# KiCad board analog_i.kicad_pcb (continued)
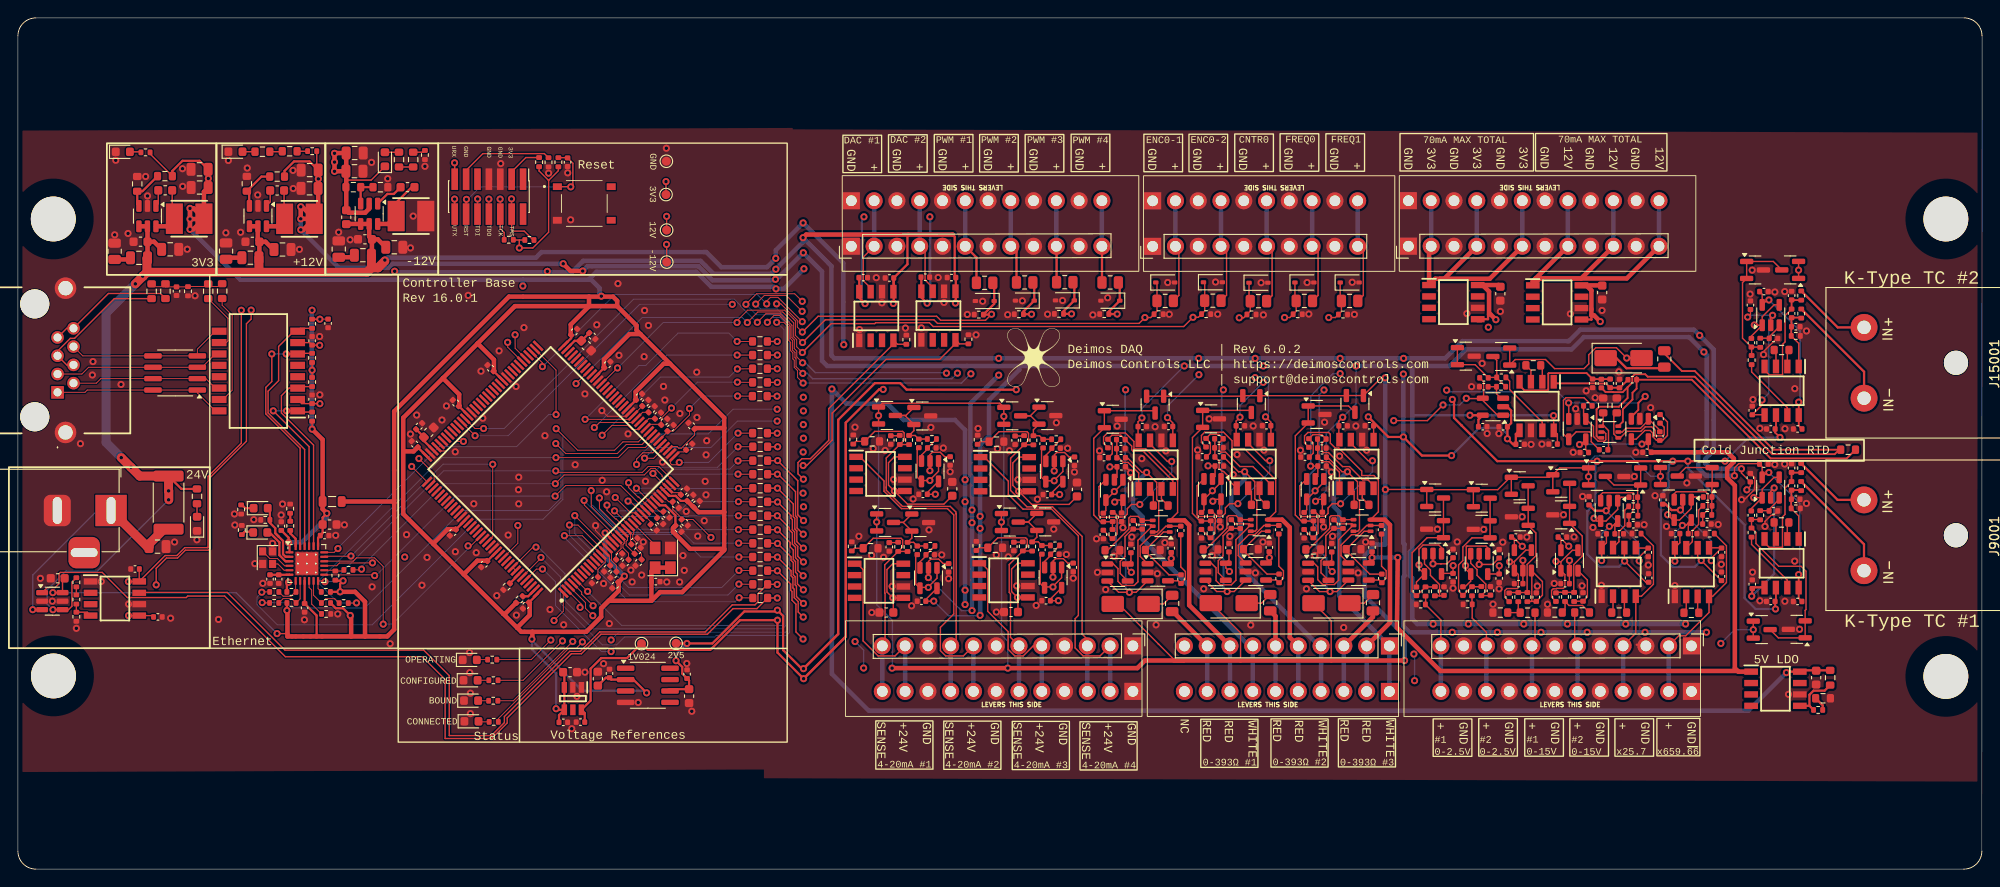
[diagram p0: board, top side]
## Placement (name value [footprint] x y rotation side) (continued)
R6027  10k  [R_0402_1005Metric]  52.89 23.38 0 top
R6028  10k  [R_0402_1005Metric]  60.27 78.89 90 top
R6029  10k  [R_0402_1005Metric]  57.04 70.21 180 top
R6030  10k  [R_0402_1005Metric]  54.73 70.24 0 top
R7001  33R  [R_0402_1005Metric]  28.58 29.71 180 top
R7002  10k  [R_0402_1005Metric]  30.51 29.71 0 top
R7003  33R  [R_0402_1005Metric]  28.59 30.94 180 top
R7004  10k  [R_0402_1005Metric]  30.5 30.94 0 top
R7005  33R  [R_0402_1005Metric]  36.33 29.69 180 top
R7006  10k  [R_0402_1005Metric]  34.35 29.7 180 top
R7007  33R  [R_0402_1005Metric]  36.86 33.4 0 top
R7008  1.5k  [R_0402_1005Metric]  34.34 30.94 0 top
R7009  10k  [R_0402_1005Metric]  35.4 32.76 90 top
R7010  10k  [R_0402_1005Metric]  34.37 28.48 180 top
R7011  49.9  [R_0402_1005Metric]  32.8 60.86 90 top
R7012  10k  [R_0402_1005Metric]  27.59 38.97 180 top
R7013  49.9  [R_0402_1005Metric]  32.8 57.05 270 top
R7014  12k  [R_0402_1005Metric]  30.37 38.31 270 top
R7015  1.5k  [R_0402_1005Metric]  24.89 40.13 90 top
R7016  49.9  [R_0402_1005Metric]  32.8 54.36 90 top
R7017  100R  [R_0402_1005Metric]  30.36 40.23 270 top
R7018  49.9  [R_0402_1005Metric]  32.8 50.5 270 top
R7019  10k  [R_0402_1005Metric]  24.97 37.84 90 top
R7020  75  [R_0603_1608Metric]  21.22 64.49 90 top
R7021  75  [R_0603_1608Metric]  22.77 64.51 270 top
R7022  75  [R_0603_1608Metric]  14.91 64.49 270 top
R7023  75  [R_0603_1608Metric]  16.45 64.5 90 top
R7024  1M  [R_0402_1005Metric]  18.96 64.49 270 top
R8004  MRF6432(2512)LR006FTS 0.006 1%  [R_2512_6332Metric]  16.8 40.9 270 top
R8005  1.5k  [R_0402_1005Metric]  6.51 28.16 90 top
R8006  10k  [R_0402_1005Metric]  6.51 32.01 270 top
R8007  10k  [R_0402_1005Metric]  6.51 30.09 90 top
R9001  10  [R_0402_1005Metric]  198.85 44.76 270 top
R9002  10  [R_0402_1005Metric]  198.85 42.75 90 top
R9003  1M  [R_0402_1005Metric]  198.25 40.26 0 top
R9004  10k 1%  [C_0402_1005Metric]  129.7 32.36 270 top
R9005  RNCF0603TKY2K00 2k 0.01% 5ppm/C  [R_0603_1608Metric]  196.66 38.68 180 top
R9006  10k 1%  [C_0402_1005Metric]  125.37 38.42 90 top
R10001  22.1k 0603  [R_0603_1608Metric]  13.3 76.48 90 top
R10002  51k 0603  [R_0603_1608Metric]  16.39 77.34 180 top
R10003  1R 0805  [R_0805_2012Metric]  10.78 68.95 90 top
R11001  200R  [R_0402_1005Metric]  98.16 35.97 270 top
R11002  RNCF0603TKY75R0 75R 0.01% 5ppm/C  [R_0603_1608Metric]  95.08 35.81 180 top
R11003  1R 0805  [R_0805_2012Metric]  23.21 68.97 90 top
R11004  243k 0603  [R_0603_1608Metric]  28.9 77.29 180 top
R11005  22.1k 0603  [R_0603_1608Metric]  25.53 76.49 90 top
R12001  243k 0603  [R_0603_1608Metric]  19.97 41.6 90 top
R12002  10k  [R_0402_1005Metric]  45.38 79.7 270 top
R12003  22.1k 0603  [R_0603_1608Metric]  44.07 79.19 270 top
R12004  22.1k 0603  [R_0603_1608Metric]  42.49 79.19 270 top
R12005  10k  [R_0402_1005Metric]  32.81 80.13 0 top
R12006  22.1k 0603  [R_0603_1608Metric]  30.3 80.12 180 top
R12007  22.1k 0603  [R_0603_1608Metric]  27.26 80.07 0 top
R12008  10k  [R_0402_1005Metric]  14.23 79.99 0 top
R13002  RNCF0603TKY2K00 2k 0.01% 5ppm/C  [R_0603_1608Metric]  138.37 40.65 0 top
R13003  300  [R_0805_2012Metric]  139.64 29.73 270 top
R13004  10  [C_0402_1005Metric]  132.49 47.59 270 top
R13005  10  [C_0402_1005Metric]  133.96 46 0 top
R13006  RNCF0603TKW10K0 10k 0.01% 5ppm/C  [R_0603_1608Metric]  137.49 35.7 0 top
R13007  100R 0402  [R_0402_1005Metric]  58.12 78.9 90 top
R13009  RNCF0603TKW10K0 10k 0.01% 5ppm/C  [R_0603_1608Metric]  132.99 35.68 0 top
R14001  200R  [R_0402_1005Metric]  98.33 47.9 270 top
R14002  RNCF0603TKY75R0 75R 0.01% 5ppm/C  [R_0603_1608Metric]  95.25 47.74 180 top
R14003  1R 0805  [R_0805_2012Metric]  35.77 69.2 90 top
R14004  22.1k 0603  [R_0603_1608Metric]  37.4 76.11 180 top
R14005  243k 0603  [R_0603_1608Metric]  40.42 76.11 180 top
R15001  10  [R_0402_1005Metric]  198.86 64.01 270 top
R15002  10  [R_0402_1005Metric]  198.86 62 90 top
R15003  1M  [R_0402_1005Metric]  198.26 59.51 0 top
R15004  100k 1%  [R_0402_1005Metric]  165.42 54.88 0 top
R15005  RNCF0603TKY2K00 2k 0.01% 5ppm/C  [R_0603_1608Metric]  196.66 57.94 180 top
R15006  100k 1%  [R_0402_1005Metric]  165.39 53.84 0 top
R17001  10k 1%  [R_0402_1005Metric]  193.32 37.56 90 top
R17002  RNCF0603TKY2K00 2k 0.01% 5ppm/C  [R_0603_1608Metric]  149.83 40.65 0 top
R17003  300  [R_0805_2012Metric]  151.1 29.73 270 top
R17004  10  [C_0402_1005Metric]  143.96 47.56 270 top
R17005  10  [C_0402_1005Metric]  145.43 45.97 0 top
R17006  RNCF0603TKW10K0 10k 0.01% 5ppm/C  [R_0603_1608Metric]  148.94 35.7 0 top
R17007  10k 1%  [R_0402_1005Metric]  194.28 39.49 90 top
R17009  RNCF0603TKW10K0 10k 0.01% 5ppm/C  [R_0603_1608Metric]  144.44 35.67 0 top
R18001  200R  [R_0402_1005Metric]  112.06 36.02 270 top
R18002  RNCF0603TKY75R0 75R 0.01% 5ppm/C  [R_0603_1608Metric]  108.98 35.86 180 top
R19001  10k 1%  [R_0402_1005Metric]  193.33 56.81 90 top
R19002  10k 1%  [R_0402_1005Metric]  194.29 58.74 90 top
R21001  3.3k 1%  [R_0402_1005Metric]  122.08 39.3 270 top
R21002  3.3k 1%  [R_0402_1005Metric]  122.05 37.39 270 top
R22001  200R  [R_0402_1005Metric]  112.2 47.87 270 top
R22002  RNCF0603TKY75R0 75R 0.01% 5ppm/C  [R_0603_1608Metric]  109.12 47.71 180 top
R23001  10k 1%  [C_0402_1005Metric]  140.63 32.45 270 top
R23002  10k 1%  [C_0402_1005Metric]  136.3 38.51 90 top
R24001  3.3k 1%  [R_0402_1005Metric]  133.01 39.38 270 top
R24002  3.3k 1%  [R_0402_1005Metric]  132.99 37.48 270 top
R26001  10k 1%  [C_0402_1005Metric]  152.09 32.44 270 top
R26002  10k 1%  [C_0402_1005Metric]  147.76 38.5 90 top
R27001  3.3k 1%  [R_0402_1005Metric]  144.47 39.38 270 top
R27002  3.3k 1%  [R_0402_1005Metric]  144.44 37.47 270 top
R28001  1M  [R_0402_1005Metric]  107.02 47.92 90 top
R29001  3.3k 1%  [R_0402_1005Metric]  113.24 47.86 90 top
R29002  3.3k 1%  [R_0402_1005Metric]  115.78 47.97 0 top
R30001  1M  [R_0402_1005Metric]  106.88 36.07 90 top
R31001  3.3k 1%  [R_0402_1005Metric]  113.1 36.01 90 top
R31002  3.3k 1%  [R_0402_1005Metric]  115.64 36.12 0 top
R32001  1M  [R_0402_1005Metric]  93.15 47.95 90 top
R33001  3.3k 1%  [R_0402_1005Metric]  99.37 47.89 90 top
R33002  3.3k 1%  [R_0402_1005Metric]  101.92 48 0 top
R34001  1M  [R_0402_1005Metric]  92.98 36.02 90 top
R35001  3.3k 1%  [R_0402_1005Metric]  99.2 35.96 90 top
R35002  3.3k 1%  [R_0402_1005Metric]  101.75 36.07 0 top
R36001  RNCF0603TKY75R0 75R 0.01% 5ppm/C  [R_0603_1608Metric]  186.61 28.6 0 top
R36002  1M  [R_0402_1005Metric]  188.66 37.44 180 top
R37001  100k 1%  [R_0402_1005Metric]  188.4 40.54 180 top
R37002  100k 1%  [R_0402_1005Metric]  188.37 39.52 0 top
R38001  RNCF0603TKY2K00 2k 0.01% 5ppm/C  [R_0603_1608Metric]  178.56 28.63 0 top
R38002  1M  [R_0402_1005Metric]  180.49 37.44 180 top
R39001  10k 1%  [R_0402_1005Metric]  180.13 40.49 0 top
R39002  10k 1%  [R_0402_1005Metric]  180.13 39.45 180 top
R40001  RNCF0603TKW10K0 10k 0.01% 5ppm/C  [R_0603_1608Metric]  174.42 28.64 180 top
R40002  RNCF0603TKY2K00 2k 0.01% 5ppm/C  [R_0603_1608Metric]  171.38 28.64 180 top
R41001  3.3k 1%  [R_0402_1005Metric]  172.52 30.38 90 top
R41002  3.3k 1%  [R_0402_1005Metric]  173.54 30.38 270 top
R42001  RNCF0603TKW10K0 10k 0.01% 5ppm/C  [R_0603_1608Metric]  168.35 28.62 0 top
R42002  RNCF0603TKY2K00 2k 0.01% 5ppm/C  [R_0603_1608Metric]  165.31 28.63 180 top
R43001  3.3k 1%  [R_0402_1005Metric]  167.31 30.36 90 top
R43002  3.3k 1%  [R_0402_1005Metric]  168.32 30.36 270 top
R44001  1M  [R_0402_1005Metric]  161.66 29.55 180 top
R45001  3.3k 1%  [R_0402_1005Metric]  162.15 31.01 90 top
R45002  3.3k 1%  [R_0402_1005Metric]  163.19 31.03 270 top
R46001  1M  [R_0402_1005Metric]  156.44 29.54 180 top
R47001  3.3k 1%  [R_0402_1005Metric]  156.96 30.98 90 top
R47002  3.3k 1%  [R_0402_1005Metric]  158.01 31.01 270 top
R48001  49.9  [R_0805_2012Metric]  127.93 63.42 180 top
R48002  1M  [R_0402_1005Metric]  127.2 61.93 0 top
R49001  49.9  [R_0805_2012Metric]  133.25 63.44 180 top
R49002  1M  [R_0402_1005Metric]  132.5 61.94 0 top
R50001  49.9  [R_0805_2012Metric]  138.33 63.39 180 top
R50002  1M  [R_0402_1005Metric]  137.56 61.9 0 top
R51001  49.9  [R_0805_2012Metric]  143.45 63.41 180 top
R51002  1M  [R_0402_1005Metric]  142.71 61.93 0 top
R52001  49.9  [R_0805_2012Metric]  148.5 63.41 180 top
R52002  1M  [R_0402_1005Metric]  147.76 61.9 0 top
R53001  1M  [R_0402_1005Metric]  99.07 59.08 90 top
R54001  1M  [R_0402_1005Metric]  105.99 59.13 90 top
R55001  1M  [R_0402_1005Metric]  107.15 61.89 180 top
R55002  49.9  [R_0805_2012Metric]  107.8 65.44 180 top
R56001  1M  [R_0402_1005Metric]  111.62 61.93 180 top
R56002  49.9  [R_0805_2012Metric]  112.26 65.48 180 top
R57001  1M  [R_0402_1005Metric]  116.09 61.97 180 top
R57002  49.9  [R_0805_2012Metric]  116.73 65.5 180 top
R58001  1M  [R_0402_1005Metric]  121.14 61.95 180 top
R58002  49.9  [R_0805_2012Metric]  121.8 65.47 180 top
S6001  TS-1187A-B-A-B  [TS1187ABAB]  63.16 74.29 0 top
T7001  H1102NLT  [SOIC127P940X622-16N]  26.81 55.59 180 top
TP7001  TestPoint_+12V  [TestPoint_Pad_D1.0mm]  72.34 71.32 180 top
TP7002  TestPoint_+12V  [TestPoint_Pad_D1.0mm]  72.35 67.75 270 top
TP7003  TestPoint_+2V5  [TestPoint_Pad_D1.0mm]  73.4 25.19 180 top
TP7004  TestPoint_+3V3  [TestPoint_Pad_D1.0mm]  72.27 75.28 180 top
TP7005  TestPoint_+1V024  [TestPoint_Pad_D1.0mm]  69.54 25.16 180 top
TP8002  TestPoint_GND_1  [TestPoint_Pad_D1.0mm]  72.31 79 90 top
U4001  NTJD4001NT1G  [SOT-363_SC-70-6]  177.51 48.78 0 top
U5001  NTJD4001NT1G  [SOT-363_SC-70-6]  127.49 38.27 180 top
U6002  ADR4525  [SOIC-8_3.9x4.9mm_P1.27mm]  70.24 20.51 0 top
U7001  LAN8742A  [VQFN-24-1EP_4x4mm_P0.5mm_EP2.5x2.5mm_ThermalVias]  32.22 34.1 0 top
U8001  INA181A2  [SOT-23-6]  3.83 29.9 0 top
U13001  NTJD4001NT1G  [SOT-363_SC-70-6]  138.43 38.35 180 top
U15001  OPA196xDBV  [SOT-23-5]  164.48 51.6 180 top
U17001  NTJD4001NT1G  [SOT-363_SC-70-6]  149.88 38.35 180 top
U17002  OPA196xDBV  [SOT-23-5]  195.45 42.59 90 top
U19001  OPA196xDBV  [SOT-23-5]  195.46 61.84 90 top
U21001  OPA196xDBV  [SOT-23-5]  122.27 42.32 270 top
U24001  OPA196xDBV  [SOT-23-5]  133.21 42.41 270 top
U27001  OPA196xDBV  [SOT-23-5]  144.66 42.4 270 top
U29001  OPA196xDBV  [SOT-23-5]  115.57 44.38 270 top
U31001  OPA196xDBV  [SOT-23-5]  115.43 32.53 270 top
U33001  OPA196xDBV  [SOT-23-5]  101.71 44.41 270 top
U35001  OPA196xDBV  [SOT-23-5]  101.54 32.48 270 top
U37001  OPA196xDBV  [SOT-23-5]  185.64 40.09 270 top
U39001  OPA196xDBV  [SOT-23-5]  177.44 39.98 270 top
U41001  OPA196xDBV  [SOT-23-5]  173.01 34.44 90 top
U43001  OPA196xDBV  [SOT-23-5]  167.82 34.46 90 top
U45001  OPA196xDBV  [SOT-23-5]  162.95 34.06 270 top
U47001  OPA196xDBV  [SOT-23-5]  157.8 34.07 270 top
Y6001  SiT1602BI-21-33S-48.000000  [Crystal_SMD_3225-4Pin_3.2x2.5mm]  71.91 34.74 90 top
Y7001  NX2016SA-25.000M-STD-CZS-1  [Crystal_SMD_2016-4Pin_2.0x1.6mm]  27.84 34.76 270 top

## Library data of the parts
C3001-C3003 C10001 C10005 C11002 C11005 C14002 C14005 C14006 C28001 C30001 C32001 C34001 = -: Description: Unpolarized capacitor, small symbol; LCSC: C14663; ki_fp_filters: C_*
C4001-C4005 C4007 C4010 C5001-C5004 C5007-C5010 C5012 C6021 C6022 C6024 C6026-C6041 C6043 C6048-C6051 C7005-C7012 C8001 C8002 C8005 C9001-C9006 C13001-C13004 C13007 C13010 C15001-C15004 C15006 C15008 C15009 C16001 C17001-C17004 C17007-C17010 C18002 C19003 C19004 C21003 C21004 C23001 C24001 C24004 C26001 C27003 C27004 C29003 C29004 C31003 C31004 C33003 C33004 C35003 C35004 C36001-C36003 C37003 C37004 C38001-C38003 C39003 C39004 C41003 C41004 C43003 C43004 C45003 C45004 C47003 C47004 C53001 C53002 C54001 C54002 = -: ki_fp_filters: C_*
C4006 C4008 C6023 C6025 C9007 C9008 C11001 C14001 C18001 C22001 C23002 C23003 C26002 C26003 = -: LCSC: C15195; ki_fp_filters: C_*
C6001-C6013 C6016-C6020 C7004 = -: LCSC: C52923; ki_fp_filters: C_*
C7003 = -: LCSC: C363540; ki_fp_filters: C_*
C8003 C10002-C10004 C11003 C11004 C11007 C14003 C14004 C14008 = -: LCSC: C440198; ki_fp_filters: C_*
C10006 C11006 C14007 = -: LCSC: C377773; ki_fp_filters: C_*
C15005 C15007 C17005 C17006 C19001 C19002 C21001 C21002 C24002 C24003 C27001 C27002 C29001 C29002 C31001 C31002 C33001 C33002 C35001 C35002 C37001 C37002 C39001 C39002 C41001 C41002 C43001 C43002 C45001 C45002 C47001 C47002 = -: LCSC: C3855387; ki_fp_filters: C_*
D4001 D5001 D13001 D17001 = -: LCSC: C22452; ki_fp_filters: TO-???* *_Diode_* *SingleDiode* D_*
D6001-D6004 D7001 D7002 D12001-D12004 = -: LCSC: C7371898; ki_fp_filters: LED* LED_SMD:* LED_THT:*
D7003 = -: Datasheet: https://www.bourns.com/pdfs/CDNBS08-SLVU28-4.pdf; ki_fp_filters: SOIC*3.9x4.9mm*P1.27mm*
D48001 D49001 D50001 D51001 D52001 D55001 D56001 D57001 D58001 = -: LCSC: C5184420; ki_fp_filters: TO-???* *_Diode_* *SingleDiode* D_*
FB7001 = -: LCSC: C1017; ki_fp_filters: Inductor_* L_* *Ferrite*
H2001 H2002 H3001 H3002 = -: ki_fp_filters: MountingHole*
IC3001-IC3003 IC17004 IC20001 IC24001 IC28001 = -: Datasheet: https://4donline.ihs.com/images/VipMasterIC/IC/ROHM/ROHM-S-A0002355662/ROHM-S-A0002355662-1.pdf?hkey=EF798316E3902B6ED9A73243A3159BB0; Description: Supervisory Circuits 3-42V SOP-J8 12A LDO Regulator; Height: 1.65; Manufacturer_Name: ROHM Semiconductor; Mouser Part Number: 755-BD42540FJ-CE2; Mouser Price/Stock: https://www.mouser.co.uk/ProductDetail/ROHM-Semiconductor/BD42540FJ-CE2?qs=zGux8KhMp6JowApuEUgCTw%3D%3D; LCSC: C308591
IC4001 IC5001 IC8001 IC9001 IC13001 IC15001 IC17001 IC36001 IC38001 IC53001 IC54001 = -: Datasheet: http://www.ti.com/lit/gpn/ina826; Description: Precision, 200-uA Supply Current, 36-V Supply Instrumentation Amplifier; Height: 1.75; Manufacturer_Name: Texas Instruments; Mouser Part Number: 595-INA826AIDR; Mouser Price/Stock: https://www.mouser.co.uk/ProductDetail/Texas-Instruments/INA826AIDR?qs=RqytGdBYyUFuQNJtlkA6aQ%3D%3D; Arrow Price/Stock: https://www.arrow.com/en/products/ina826aidr/texas-instruments?region=nac; LCSC: C38433
IC4002 IC4003 IC5002 IC5003 IC13002 IC13003 IC17002 IC17003 = -: Datasheet: http://www.ti.com/lit/gpn/tlv333; Description: 350 kHz, Low-Noise, RRIO, CMOS Operational Amplifier for Cost-Sensitive Systems; Height: 1.45; Manufacturer_Name: Texas Instruments; Mouser Part Number: 595-TLV333IDBVR; Mouser Price/Stock: https://www.mouser.co.uk/ProductDetail/Texas-Instruments/TLV333IDBVR?qs=n%252BTO0c4TDSbTbn2suQLlAQ%3D%3D; Arrow Price/Stock: https://www.arrow.com/en/products/tlv333idbvr/texas-instruments
IC5004 = -: Datasheet: https://www.ti.com/lit/ds/symlink/ref35.pdf; Description: Voltage References 650-nA quiescent current, 12-ppm/C drift, ultra-low-power precision voltage reference; Height: 1.45; Manufacturer_Name: Texas Instruments; Mouser Part Number: 595-REF35102QDBVR; Mouser Price/Stock: https://www.mouser.co.uk/ProductDetail/Texas-Instruments/REF35102QDBVR?qs=rQFj71Wb1eWXaO82zju2Vg%3D%3D; Arrow Price/Stock: https://www.arrow.com/en/products/ref35102qdbvr/texas-instruments?region=nac
IC6001 = -: Datasheet: https://www.mouser.cn/datasheet/2/389/stm32h723zg-1893346.pdf; Height: 1.6; Manufacturer_Name: STMicroelectronics; LCSC: C114408
IC10001 IC11001 IC14001 = -: Datasheet: http://www.ti.com/lit/gpn/tps560430; Description: SIMPLE SWITCHER 36-V, 600-mA Buck Regulator With High-Efficiency Sleep Mode; Height: 1.45; Manufacturer_Name: Texas Instruments; Mouser Part Number: 595-TPS560430XDBVR; Mouser Price/Stock: https://www.mouser.co.uk/ProductDetail/Texas-Instruments/TPS560430XDBVR?qs=%252BEew9%252B0nqrDFUDwUxL0Ntw%3D%3D; Arrow Price/Stock: https://www.arrow.com/en/products/tps560430xdbvr/texas-instruments?region=nac
J3001 J3003 J3004 J3006 = -: Description: Generic screw terminal, single row, 01x12, script generated (kicad-library-utils/schlib/autogen/connector/); LCSC: C475123; ki_fp_filters: TerminalBlock*:*
J3002 J3005 = -: Description: Generic screw terminal, single row, 01x10, script generated (kicad-library-utils/schlib/autogen/connector/); LCSC: C475122; ki_fp_filters: TerminalBlock*:*
J6001 = -: LCSC: C3975190; ki_fp_filters: Connector*:*_2x??_*
J8001 = -: LCSC: C3094841; ki_fp_filters: BarrelJack*
J9001 J15001 = -: LCSC: C9900157061; ki_fp_filters: Connector*:*_1x??_*
J13001 = -: Datasheet: https://www.lcsc.com/datasheet/lcsc_datasheet_2007281104_RCH-RC01133_C708616.pdf; Description: RJ45Receptacle 1 Shielded Bend insert Without LED -40~+70 Plugin Ethernet Connectors / Modular Connectors (RJ45 RJ11) ROHS; Height: 13.35; Manufacturer_Name: RCH; Manufacturer_Part_Number: RCH RC01133; LCSC: C708616
L10001 = -: Description: Inductor; LCSC: C167880; ki_fp_filters: Choke_* *Coil* Inductor_* L_*
L11001 L14001 = -: Description: Inductor; LCSC: C167840; ki_fp_filters: Choke_* *Coil* Inductor_* L_*
Q15001 Q15002 Q17001 Q17002 Q19001 Q19002 Q21001 Q21002 Q24001 Q24002 Q27001 Q27002 Q29001 Q29002 Q31001 Q31002 Q33001 Q33002 Q35001 Q35002 Q37001 Q37002 Q39001 Q39002 Q41001 Q41002 Q43001 Q43002 Q45001 Q45002 Q47001 Q47002 = -: Datasheet: https://www.onsemi.com/pub/Collateral/MMBFJ113-D.PDF; Description: 2mA min, 35V, 100mOhm max, 0.5-3V Vgs(off), N-Channel JFET, SOT-23; LCSC: C891686; ki_fp_filters: SOT?23*
R3001 = -: Description: Resistor, small US symbol; LCSC: C141518; ki_fp_filters: R_*
R3002 R11004 R12001 R14005 = -: Description: Resistor, small symbol; LCSC: C23351; ki_fp_filters: R_*
R3003 R17001 R17007 R19001 R19002 R39001 R39002 = -: LCSC: C25744; ki_fp_filters: R_*
R3004 R10002 = -: Description: Resistor, small symbol; LCSC: C23196; ki_fp_filters: R_*
R4001 R4003-R4005 R4007 R5003-R5005 R9003 R9004 R9006 R13003-R13005 R15003 R17003-R17005 R23001 R23002 R26001 R26002 R28001 R30001 R32001 R34001 R36002 R38002 R44001 R46001 R48002 R49002 R50002 R51002 R52002 R53001 R54001 R55001 R56001 R57001 R58001 = -: ki_fp_filters: R_*
R4002 R5002 R9005 R13002 R15005 R17002 R38001 R40002 R42002 = -: LCSC: C346578; ki_fp_filters: R_*
R4006 R4009 R5006 R5009 R13006 R13009 R17006 R17009 R40001 R42001 = -: LCSC: C2482678; ki_fp_filters: R_*
R6001-R6013 R6016-R6020 = -: Description: Resistor, small symbol; LCSC: C22859; ki_fp_filters: R_*
R6021 R6022 R6028-R6030 R7002 R7004 R7006 R7009 R7010 R7012 R7019 R8006 R8007 = -: Description: Resistor, small symbol; LCSC: C25744; ki_fp_filters: R_*
R6023 R6025-R6027 R12002 R12005 R12008 = -: GNUM: G11-R0402-3300-AAA; LCSC: C25744
R6024 R7017 R13007 = -: Description: Resistor, small symbol; LCSC: C25076; ki_fp_filters: R_*
R7001 R7003 R7005 R7007 = -: Description: Resistor, small symbol; LCSC: C25105; ki_fp_filters: R_*
R7008 R7015 R8005 = -: Description: Resistor, small symbol; LCSC: C25867; ki_fp_filters: R_*
R7011 R7013 R7016 R7018 = -: GNUM: G11-R0402-3300-AAA; LCSC: C25120
R7014 = -: Description: Resistor, small symbol; LCSC: C25752; ki_fp_filters: R_*
R7020-R7023 = -: GNUM: G11-R0402-3300-AAA; LCSC: C23242
R7024 = -: GNUM: G11-R0402-3300-AAA; LCSC: C26083
R8004 = -: Description: Resistor, small symbol; LCSC: C76239; ki_fp_filters: R_*
R9001 R15001 = -: LCSC: C25077; ki_fp_filters: R_*
R9002 R15002 = -: Datasheet: C25077; ki_fp_filters: R_*
R10001 R11005 R12003 R12004 R12006 R12007 R14004 = -: Description: Resistor, small symbol; LCSC: C25961; ki_fp_filters: R_*
R10003 R11003 R14003 = -: Description: Resistor, small symbol; LCSC: C25271; ki_fp_filters: R_*
R11001 R14001 R18001 R22001 = -: LCSC: C25087; ki_fp_filters: R_*
R11002 R14002 R18002 R22002 R36001 = -: LCSC: C2482496; ki_fp_filters: R_*
R15004 R15006 R37001 R37002 = -: LCSC: C25741; ki_fp_filters: R_*
R21001 R21002 R24001 R24002 R27001 R27002 R29001 R29002 R31001 R31002 R33001 R33002 R35001 R35002 R41001 R41002 R43001 R43002 R45001 R45002 R47001 R47002 = -: LCSC: C25890; ki_fp_filters: R_*
R48001 R49001 R50001 R51001 R52001 R55002 R56002 R57002 R58002 = -: LCSC: C17720; ki_fp_filters: R_*
S6001 = -: Datasheet: http://www.helloxkb.com/public/images/pdf/TS-1187A-X-X-X.pdf; Description: tact switch 4x4X1.5 patch 160GF metal head waterproof; Height: 4.05; Manufacturer_Name: XKB Connectivity; LCSC: C318884
T7001 = -: Datasheet: https://productfinder.pulseeng.com/products/datasheets/H1102NL.pdf; Description: Audio Transformers / Signal Transformers 100BaseTX SMD NonPoE 350uH .65Ohms 1-Port; Height: 6.22; Manufacturer_Name: Pulse; Mouser Part Number: 673-H1102NLT; Mouser Price/Stock: https://www.mouser.co.uk/ProductDetail/Pulse-Electronics/H1102NLT?qs=EKu32SdDin8JhhqpR7K10Q%3D%3D; Arrow Price/Stock: https://www.arrow.com/en/products/h1102nlt/pulse-electronics-corporation?region=nac; LCSC: C18584
TP7001-TP7005 TP8002 = -: ki_fp_filters: Pin* Test*
U4001 U5001 U13001 U17001 = -: LCSC: C190019
U6002 = -: Datasheet: https://www.analog.com/media/en/technical-documentation/data-sheets/ADR4520_4525_4530_4533_4540_4550.pdf; LCSC: C403914; ki_fp_filters: SOIC*3.9x4.9mm*P1.27mm*
U7001 = -: Datasheet: http://ww1.microchip.com/downloads/en/DeviceDoc/8742a.pdf; ki_fp_filters: VQFN*1EP*4x4mm*P0.5mm*
U8001 = -: Datasheet: http://www.ti.com/lit/ds/symlink/ina181.pdf; LCSC: C2058784; ki_fp_filters: SOT?23*
U15001 U17002 U19001 U21001 U24001 U27001 U29001 U31001 U33001 U35001 U37001 U39001 U41001 U43001 U45001 U47001 = -: Datasheet: http://www.ti.com/lit/ds/symlink/opa4196.pdf; Description: Single, Low-Power, Low Offset Voltage, Rail-to-Rail Operational Amplifier, SOT-23-5; ki_fp_filters: SOT?23*
Y6001 = -: Datasheet: https://www.sitime.com/support/resource-library/datasheets/sit1602-datasheet; Manufacturer_Name: SiTime; Manufacturer_Part_Number: SiT1602AI-82-33E-48.000000; LCSC: C1198900
Y7001 = -: Datasheet: https://datasheet.datasheetarchive.com/originals/distributors/DKDS-17/332064.pdf; Manufacturer_Name: NDK; Mouser Part Number: 344-NX2016SA25MSTZS1; Mouser Price/Stock: https://www.mouser.co.uk/ProductDetail/NDK/NX2016SA-25.000M-STD-CZS-1?qs=w%2Fv1CP2dgqozB742%252BoULZA%3D%3D; LCSC: C843258

## Footprints (pads in the part's own frame, mm; a bottom-side part is the same pattern mirrored in y, then rotated)
AM-K-PCB
  round 2.7 hole 2.7 unplated: (0,-4)
  round 3 hole 1.5: 1(3.95,-14.25) 2(-3.95,-14.25)
BarrelJack_Horizontal
  rect 3.5x3.5 hole 1x3: 1(0,0)
  rrect 3x3.5 hole 1x3: 2(-6,0)
  rrect 3.5x3.5 hole 3x1: 3(-3,-4.7)
C_0402_1005Metric
  rrect 0.56x0.62 smd: 1(-0.48,0) 2(0.48,0)
C_0603_1608Metric
  rrect 0.9x0.95 smd: 1(-0.775,0) 2(0.775,0)
C_0805_2012Metric
  rrect 1x1.45 smd: 1(-0.95,0) 2(0.95,0)
Crystal_SMD_2016-4Pin_2.0x1.6mm
  rect 0.9x0.8 smd: 1(-0.7,-0.55) 2(0.7,-0.55) 3(0.7,0.55) 4(-0.7,0.55)
Crystal_SMD_3225-4Pin_3.2x2.5mm
  rect 1.4x1.2 smd: 1(-1.1,-0.85) 2(1.1,-0.85) 3(1.1,0.85) 4(-1.1,0.85)
D_SMA
  rrect 2.5x1.8 smd: 1(-2,0) 2(2,0)
D_SOD-323
  rrect 0.6x0.45 smd: 1(-1.05,0) 2(1.05,0)
INDPM4040X300N
  rect 1.9x3.4 smd: 1(-1.65,0) 2(1.65,0)
KF141V-2.54-10P
  rect 1.9x1.9 hole 1.2: 1(0,0) 1(5.08,0)
  oval 1.9x1.9 hole 1.2: 2(0,-2.54) 2(5.08,-2.54) 3(0,-5.08) 3(5.08,-5.08) 4(0,-7.62) 4(5.08,-7.62) 5(0,-10.16) 5(5.08,-10.16) 6(0,-12.7) 6(5.08,-12.7) 7(0,-15.24) 7(5.08,-15.24) 8(0,-17.78) 8(5.08,-17.78) 9(0,-20.32) 9(5.08,-20.32) 10(0,-22.86) 10(5.08,-22.86)
KF141V-2.54-12P
  rect 1.9x1.9 hole 1.2: 1(0,0) 1(5.08,0)
  oval 1.9x1.9 hole 1.2: 2(0,-2.54) 2(5.08,-2.54) 3(0,-5.08) 3(5.08,-5.08) 4(0,-7.62) 4(5.08,-7.62) 5(0,-10.16) 5(5.08,-10.16) 6(0,-12.7) 6(5.08,-12.7) 7(0,-15.24) 7(5.08,-15.24) 8(0,-17.78) 8(5.08,-17.78) 9(0,-20.32) 9(5.08,-20.32) 10(0,-22.86) 10(5.08,-22.86) 11(0,-25.4) 11(5.08,-25.4) 12(0,-27.94) 12(5.08,-27.94)
L_0805_2012Metric
  rrect 0.875x1.2 smd: 1(-1.062,0) 2(1.062,0)
LED_0603_1608Metric
  rrect 0.875x0.95 smd: 1(-0.787,0) 2(0.787,0)
MountingHole_5mm
  round 5 hole 5 unplated: (0,0)
PinHeader_2x07_P1.27mm_Vertical_SMD
  rect 2.4x0.74 smd: 1(-1.95,3.81) 2(1.95,3.81) 3(-1.95,2.54) 4(1.95,2.54) 5(-1.95,1.27) 6(1.95,1.27) 7(-1.95,0) 8(1.95,0) 9(-1.95,-1.27) 10(1.95,-1.27) 11(-1.95,-2.54) 12(1.95,-2.54) 13(-1.95,-3.81) 14(1.95,-3.81)
QFP50P2200X2200X160-144N
  rect 1.475x0.3 smd: 1(-10.738,8.75) 2(-10.738,8.25) 3(-10.738,7.75) 4(-10.738,7.25) 5(-10.738,6.75) 6(-10.738,6.25) 7(-10.738,5.75) 8(-10.738,5.25) 9(-10.738,4.75) 10(-10.738,4.25) 11(-10.738,3.75) 12(-10.738,3.25) 13(-10.738,2.75) 14(-10.738,2.25) 15(-10.738,1.75) 16(-10.738,1.25) 17(-10.738,0.75) 18(-10.738,0.25) 19(-10.738,-0.25) 20(-10.738,-0.75) 21(-10.738,-1.25) 22(-10.738,-1.75) 23(-10.738,-2.25) 24(-10.738,-2.75) 25(-10.738,-3.25) 26(-10.738,-3.75) 27(-10.738,-4.25) 28(-10.738,-4.75) 29(-10.738,-5.25) 30(-10.738,-5.75) 31(-10.738,-6.25) 32(-10.738,-6.75) 33(-10.738,-7.25) 34(-10.738,-7.75) 35(-10.738,-8.25) 36(-10.738,-8.75) 73(10.738,-8.75) 74(10.738,-8.25) 75(10.738,-7.75) 76(10.738,-7.25) 77(10.738,-6.75) 78(10.738,-6.25) 79(10.738,-5.75) 80(10.738,-5.25) 81(10.738,-4.75) 82(10.738,-4.25) 83(10.738,-3.75) 84(10.738,-3.25) 85(10.738,-2.75) 86(10.738,-2.25) 87(10.738,-1.75) 88(10.738,-1.25) 89(10.738,-0.75) 90(10.738,-0.25) 91(10.738,0.25) 92(10.738,0.75) 93(10.738,1.25) 94(10.738,1.75) 95(10.738,2.25) 96(10.738,2.75) 97(10.738,3.25) 98(10.738,3.75) 99(10.738,4.25) 100(10.738,4.75) 101(10.738,5.25) 102(10.738,5.75) 103(10.738,6.25) 104(10.738,6.75) 105(10.738,7.25) 106(10.738,7.75) 107(10.738,8.25) 108(10.738,8.75)
  rect 0.3x1.475 smd: 37(-8.75,-10.738) 38(-8.25,-10.738) 39(-7.75,-10.738) 40(-7.25,-10.738) 41(-6.75,-10.738) 42(-6.25,-10.738) 43(-5.75,-10.738) 44(-5.25,-10.738) 45(-4.75,-10.738) 46(-4.25,-10.738) 47(-3.75,-10.738) 48(-3.25,-10.738) 49(-2.75,-10.738) 50(-2.25,-10.738) 51(-1.75,-10.738) 52(-1.25,-10.738) 53(-0.75,-10.738) 54(-0.25,-10.738) 55(0.25,-10.738) 56(0.75,-10.738) 57(1.25,-10.738) 58(1.75,-10.738) 59(2.25,-10.738) 60(2.75,-10.738) 61(3.25,-10.738) 62(3.75,-10.738) 63(4.25,-10.738) 64(4.75,-10.738) 65(5.25,-10.738) 66(5.75,-10.738) 67(6.25,-10.738) 68(6.75,-10.738) 69(7.25,-10.738) 70(7.75,-10.738) 71(8.25,-10.738) 72(8.75,-10.738) 109(8.75,10.738) 110(8.25,10.738) 111(7.75,10.738) 112(7.25,10.738) 113(6.75,10.738) 114(6.25,10.738) 115(5.75,10.738) 116(5.25,10.738) 117(4.75,10.738) 118(4.25,10.738) 119(3.75,10.738) 120(3.25,10.738) 121(2.75,10.738) 122(2.25,10.738) 123(1.75,10.738) 124(1.25,10.738) 125(0.75,10.738) 126(0.25,10.738) 127(-0.25,10.738) 128(-0.75,10.738) 129(-1.25,10.738) 130(-1.75,10.738) 131(-2.25,10.738) 132(-2.75,10.738) 133(-3.25,10.738) 134(-3.75,10.738) 135(-4.25,10.738) 136(-4.75,10.738) 137(-5.25,10.738) 138(-5.75,10.738) 139(-6.25,10.738) 140(-6.75,10.738) 141(-7.25,10.738) 142(-7.75,10.738) 143(-8.25,10.738) 144(-8.75,10.738)
R_0402_1005Metric
  rrect 0.54x0.64 smd: 1(-0.51,0) 2(0.51,0)
R_0603_1608Metric
  rrect 0.8x0.95 smd: 1(-0.825,0) 2(0.825,0)
R_0805_2012Metric
  rrect 1.025x1.4 smd: 1(-0.912,0) 2(0.912,0)
R_2512_6332Metric
  rrect 1.225x3.35 smd: 1(-2.962,0) 2(2.962,0)
RCHRC01133
  round 3.25 hole 3.25 unplated: (-2.73,2.54) (9.87,2.54)
  rect 1.4x1.4 hole 0.9: 1(0,0)
  round 1.4 hole 0.9: 2(1.02,-1.78) 3(2.04,0) 4(3.06,-1.78) 5(4.08,0) 6(5.1,-1.78) 7(6.12,0) 8(7.14,-1.78)
  round 2.4 hole 1.6: 9(-4.48,-0.89) 10(11.62,-0.89)
SOIC127P600X175-8N
  rect 1.525x0.7 smd: 1(-2.712,1.905) 2(-2.712,0.635) 3(-2.712,-0.635) 4(-2.712,-1.905) 5(2.712,-1.905) 6(2.712,-0.635) 7(2.712,0.635) 8(2.712,1.905)
SOIC127P940X622-16N
  rect 1.645x0.8 smd: 1(-4.378,4.445) 2(-4.378,3.175) 3(-4.378,1.905) 4(-4.378,0.635) 5(-4.378,-0.635) 6(-4.378,-1.905) 7(-4.378,-3.175) 8(-4.378,-4.445) 9(4.378,-4.445) 10(4.378,-3.175) 11(4.378,-1.905) 12(4.378,-0.635) 13(4.378,0.635) 14(4.378,1.905) 15(4.378,3.175) 16(4.378,4.445)
SOIC-8_3.9x4.9mm_P1.27mm
  rrect 1.95x0.6 smd: 1(-2.475,1.905) 2(-2.475,0.635) 3(-2.475,-0.635) 4(-2.475,-1.905) 5(2.475,-1.905) 6(2.475,-0.635) 7(2.475,0.635) 8(2.475,1.905)
SOT95P280X145-6N
  rect 1.2x0.6 smd: 1(-1.25,0.95) 2(-1.25,0) 3(-1.25,-0.95) 4(1.25,-0.95) 5(1.25,0) 6(1.25,0.95)
SOT-23
  rrect 1.475x0.6 smd: 1(-0.938,0.95) 2(-0.938,-0.95) 3(0.938,0)
SOT-23-5
  rrect 1.325x0.6 smd: 1(-1.137,0.95) 2(-1.137,0) 3(-1.137,-0.95) 4(1.137,-0.95) 5(1.137,0.95)
SOT-23-6
  rrect 1.325x0.6 smd: 1(-1.137,0.95) 2(-1.137,0) 3(-1.137,-0.95) 4(1.137,-0.95) 5(1.137,0) 6(1.137,0.95)
SOT-363_SC-70-6
  rrect 0.65x0.4 smd: 1(-0.95,0.65) 2(-0.95,0) 3(-0.95,-0.65) 4(0.95,-0.65) 5(0.95,0) 6(0.95,0.65)
TestPoint_Pad_D1.0mm
  round 1 smd: 1(0,0)
TS1187ABAB
  rect 1x0.75 smd: A1(-3,1.875) B1(3,1.875) C1(-3,-1.875) D1(3,-1.875)
VQFN-24-1EP_4x4mm_P0.5mm_EP2.5x2.5mm_ThermalVias
  custom 0.927x0.927 smd: (-0.5,0.5) (-0.5,-0.5) (0.5,0.5) (0.5,-0.5)
  rrect 0.875x0.25 smd: 1(-1.938,1.25) 2(-1.938,0.75) 3(-1.938,0.25) 4(-1.938,-0.25) 5(-1.938,-0.75) 6(-1.938,-1.25) 13(1.938,-1.25) 14(1.938,-0.75) 15(1.938,-0.25) 16(1.938,0.25) 17(1.938,0.75) 18(1.938,1.25)
  rrect 0.25x0.875 smd: 7(-1.25,-1.938) 8(-0.75,-1.938) 9(-0.25,-1.938) 10(0.25,-1.938) 11(0.75,-1.938) 12(1.25,-1.938) 19(1.25,1.938) 20(0.75,1.938) 21(0.25,1.938) 22(-0.25,1.938) 23(-0.75,1.938) 24(-1.25,1.938)
  round 0.5 hole 0.2: 25(-1,1) 25(-1,0) 25(-1,-1) 25(0,1) 25(0,0) 25(0,-1) 25(1,1) 25(1,0) 25(1,-1)
  rect 2.5x2.5 smd: 25(0,0)
  rect 2.5x2.5 smd far side: 25(0,0)
